# KiCad board AmigaPCI Mainboard.kicad_pcb (continued)
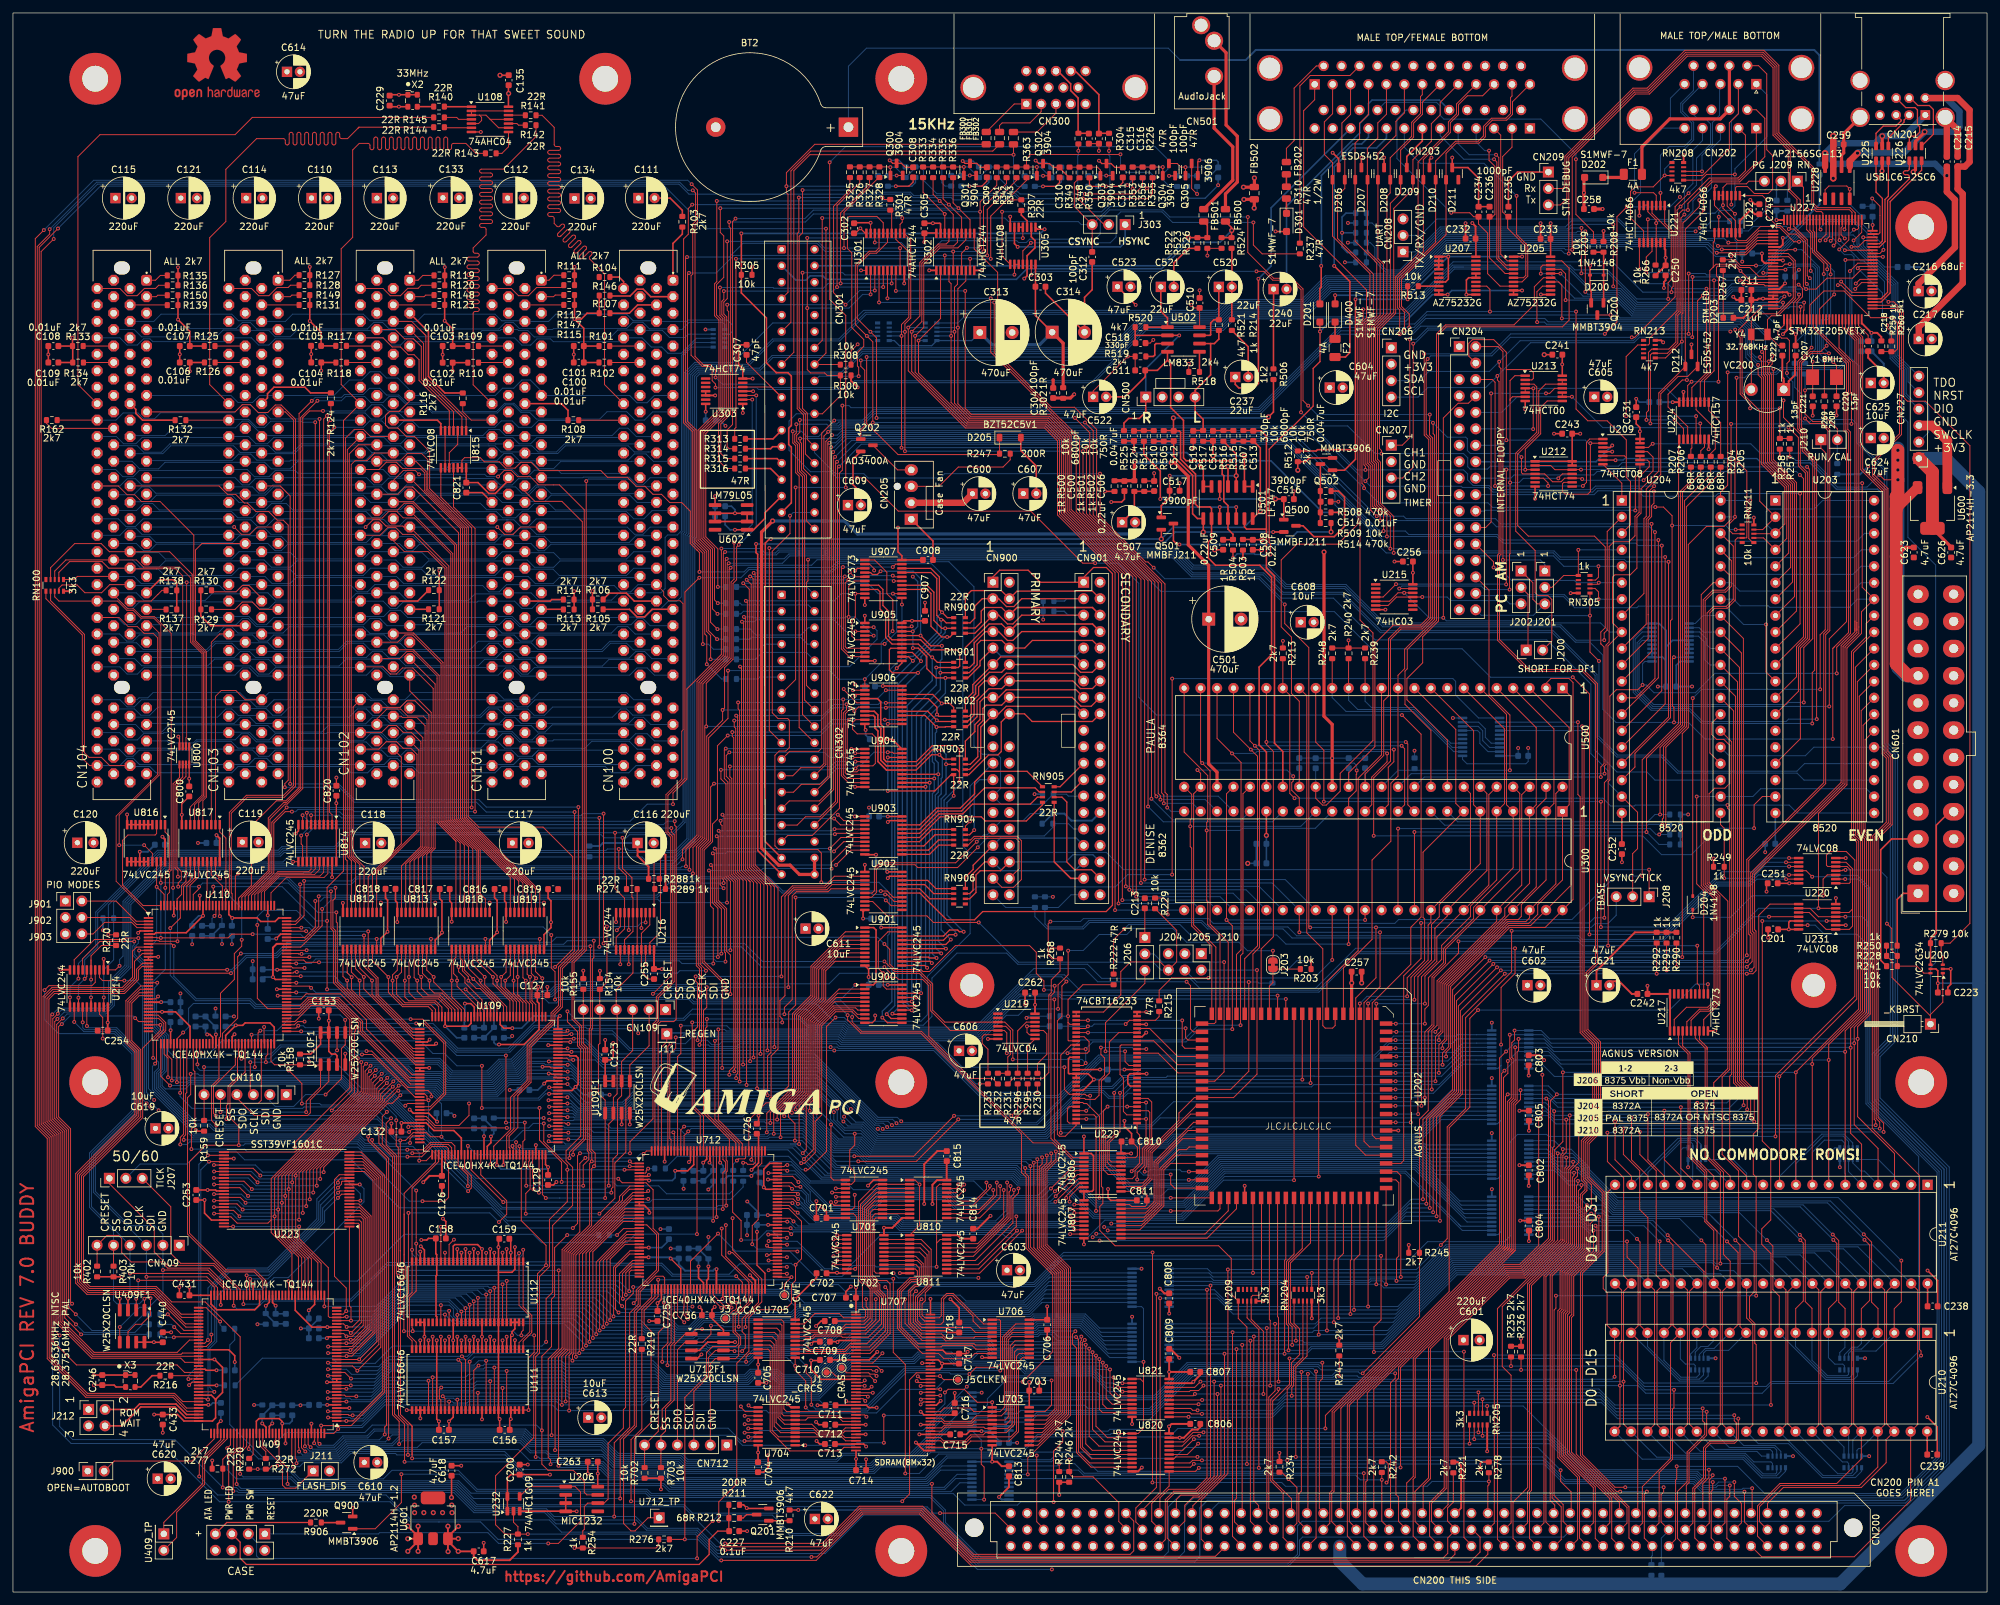
[diagram p0: board, top side]
## Footprints (pads in the part's own frame, mm; a bottom-side part is the same pattern mirrored in y, then rotated) (continued)
PinHeader_1x01_P2.54mm_Horizontal
  rect 1.7x1.7 hole 1: 1(0,0)
PinHeader_1x01_P2.54mm_Vertical
  rect 1.7x1.7 hole 1: 1(0,0)
PinHeader_1x02_P2.54mm_Vertical
  rect 1.7x1.7 hole 1: 1(0,0)
  oval 1.7x1.7 hole 1: 2(0,-2.54)
PinHeader_1x03_P2.54mm_Vertical
  rect 1.7x1.7 hole 1: 1(0,0)
  oval 1.7x1.7 hole 1: 2(0,-2.54) 3(0,-5.08)
PinHeader_1x04_P2.54mm_Vertical
  rect 1.7x1.7 hole 1: 1(0,0)
  oval 1.7x1.7 hole 1: 2(0,-2.54) 3(0,-5.08) 4(0,-7.62)
PinHeader_1x06_P2.54mm_Vertical
  rect 1.7x1.7 hole 1: 1(0,0)
  oval 1.7x1.7 hole 1: 2(0,-2.54) 3(0,-5.08) 4(0,-7.62) 5(0,-10.16) 6(0,-12.7)
PinHeader_2x01_P2.54mm_Vertical
  rect 1.7x1.7 hole 1: 1(0,0)
  oval 1.7x1.7 hole 1: 2(2.54,0)
PinHeader_2x02_P2.54mm_Vertical
  rect 1.7x1.7 hole 1: 1(0,0)
  oval 1.7x1.7 hole 1: 2(2.54,0) 3(0,-2.54) 4(2.54,-2.54)
PinHeader_2x03_P2.54mm_Vertical
  rect 1.7x1.7 hole 1: 1(0,0)
  oval 1.7x1.7 hole 1: 2(2.54,0) 3(0,-2.54) 4(2.54,-2.54) 5(0,-5.08) 6(2.54,-5.08)
PinHeader_2x04_P2.54mm_Vertical
  rect 1.7x1.7 hole 1: 1(0,0)
  oval 1.7x1.7 hole 1: 2(2.54,0) 3(0,-2.54) 4(2.54,-2.54) 5(0,-5.08) 6(2.54,-5.08) 7(0,-7.62) 8(2.54,-7.62)
PLCC-84_SMD-Socket
  rect 0.7x1.925 smd: 1(0,14.213) 2(-1.27,14.213) 3(-2.54,14.213) 4(-3.81,14.213) 5(-5.08,14.213) 6(-6.35,14.213) 7(-7.62,14.213) 8(-8.89,14.213) 9(-10.16,14.213) 10(-11.43,14.213) 11(-12.7,14.213) 33(-12.7,-14.213) 34(-11.43,-14.213) 35(-10.16,-14.213) 36(-8.89,-14.213) 37(-7.62,-14.213) 38(-6.35,-14.213) 39(-5.08,-14.213) 40(-3.81,-14.213) 41(-2.54,-14.213) 42(-1.27,-14.213) 43(0,-14.213) 44(1.27,-14.213) 45(2.54,-14.213) 46(3.81,-14.213) 47(5.08,-14.213) 48(6.35,-14.213) 49(7.62,-14.213) 50(8.89,-14.213) 51(10.16,-14.213) 52(11.43,-14.213) 53(12.7,-14.213) 75(12.7,14.213) 76(11.43,14.213) 77(10.16,14.213) 78(8.89,14.213) 79(7.62,14.213) 80(6.35,14.213) 81(5.08,14.213) 82(3.81,14.213) 83(2.54,14.213) 84(1.27,14.213)
  rect 1.925x0.7 smd: 12(-14.213,12.7) 13(-14.213,11.43) 14(-14.213,10.16) 15(-14.213,8.89) 16(-14.213,7.62) 17(-14.213,6.35) 18(-14.213,5.08) 19(-14.213,3.81) 20(-14.213,2.54) 21(-14.213,1.27) 22(-14.213,0) 23(-14.213,-1.27) 24(-14.213,-2.54) 25(-14.213,-3.81) 26(-14.213,-5.08) 27(-14.213,-6.35) 28(-14.213,-7.62) 29(-14.213,-8.89) 30(-14.213,-10.16) 31(-14.213,-11.43) 32(-14.213,-12.7) 54(14.213,-12.7) 55(14.213,-11.43) 56(14.213,-10.16) 57(14.213,-8.89) 58(14.213,-7.62) 59(14.213,-6.35) 60(14.213,-5.08) 61(14.213,-3.81) 62(14.213,-2.54) 63(14.213,-1.27) 64(14.213,0) 65(14.213,1.27) 66(14.213,2.54) 67(14.213,3.81) 68(14.213,5.08) 69(14.213,6.35) 70(14.213,7.62) 71(14.213,8.89) 72(14.213,10.16) 73(14.213,11.43) 74(14.213,12.7)
R_0603_1608Metric
  rrect 0.8x0.95 smd: 1(-0.825,0) 2(0.825,0)
R_0805_2012Metric
  rrect 1.025x1.4 smd: 1(-0.912,0) 2(0.912,0)
R_Array_Convex_4x0603
  rect 0.8x0.5 smd: 1(-0.9,1.2) 4(-0.9,-1.2) 5(0.9,-1.2) 8(0.9,1.2)
  rect 0.8x0.4 smd: 2(-0.9,0.4) 3(-0.9,-0.4) 6(0.9,-0.4) 7(0.9,0.4)
R_Array_Convex_5x0603
  rect 0.8x0.48 smd: 1(-0.9,1.36) 5(-0.9,-1.36) 6(0.9,-1.36) 10(0.9,1.36)
  rect 0.8x0.32 smd: 2(-0.9,0.64) 3(-0.9,0) 4(-0.9,-0.64) 7(0.9,-0.64) 8(0.9,0) 9(0.9,0.64)
SOIC-8_3.9x4.9mm_P1.27mm
  rrect 1.95x0.6 smd: 1(-2.475,1.905) 2(-2.475,0.635) 3(-2.475,-0.635) 4(-2.475,-1.905) 5(2.475,-1.905) 6(2.475,-0.635) 7(2.475,0.635) 8(2.475,1.905)
SOIC-14_3.9x8.7mm_P1.27mm
  rrect 1.95x0.6 smd: 1(-2.475,3.81) 2(-2.475,2.54) 3(-2.475,1.27) 4(-2.475,0) 5(-2.475,-1.27) 6(-2.475,-2.54) 7(-2.475,-3.81) 8(2.475,-3.81) 9(2.475,-2.54) 10(2.475,-1.27) 11(2.475,0) 12(2.475,1.27) 13(2.475,2.54) 14(2.475,3.81)
SolderJumper-2_P1.3mm_Bridged_RoundedPad1.0x1.5mm
  custom 1x0.5 smd: 1(-0.65,0) 2(0.65,0)
SOT-23
  rrect 1.475x0.6 smd: 1(-0.938,0.95) 2(-0.938,-0.95) 3(0.938,0)
SOT-23-5
  rrect 1.325x0.6 smd: 1(-1.137,0.95) 2(-1.137,0) 3(-1.137,-0.95) 4(1.137,-0.95) 5(1.137,0.95)
SOT-23-6
  rrect 1.325x0.6 smd: 1(-1.137,0.95) 2(-1.137,0) 3(-1.137,-0.95) 4(1.137,-0.95) 5(1.137,0) 6(1.137,0.95)
SOT-223-3_TabPin2
  rrect 2x1.5 smd: 1(-3.15,2.3) 2(-3.15,0) 3(-3.15,-2.3)
  rrect 2x3.8 smd: 2(3.15,0)
SOT-363_SC-70-6
  rrect 0.65x0.4 smd: 1(-0.95,0.65) 2(-0.95,0) 3(-0.95,-0.65) 4(0.95,-0.65) 5(0.95,0) 6(0.95,0.65)
SSOP-56_7.5x18.5mm_P0.635mm
  rect 1.2x0.4 smd: 1(-4.7,8.572) 2(-4.7,7.938) 3(-4.7,7.303) 4(-4.7,6.668) 5(-4.7,6.032) 6(-4.7,5.397) 7(-4.7,4.763) 8(-4.7,4.128) 9(-4.7,3.493) 10(-4.7,2.857) 11(-4.7,2.223) 12(-4.7,1.587) 13(-4.7,0.953) 14(-4.7,0.318) 15(-4.7,-0.318) 16(-4.7,-0.953) 17(-4.7,-1.587) 18(-4.7,-2.223) 19(-4.7,-2.857) 20(-4.7,-3.493) 21(-4.7,-4.128) 22(-4.7,-4.763) 23(-4.7,-5.397) 24(-4.7,-6.032) 25(-4.7,-6.668) 26(-4.7,-7.303) 27(-4.7,-7.938) 28(-4.7,-8.572) 29(4.7,-8.572) 30(4.7,-7.938) 31(4.7,-7.303) 32(4.7,-6.668) 33(4.7,-6.032) 34(4.7,-5.397) 35(4.7,-4.763) 36(4.7,-4.128) 37(4.7,-3.493) 38(4.7,-2.857) 39(4.7,-2.223) 40(4.7,-1.587) 41(4.7,-0.953) 42(4.7,-0.318) 43(4.7,0.318) 44(4.7,0.953) 45(4.7,1.587) 46(4.7,2.223) 47(4.7,2.857) 48(4.7,3.493) 49(4.7,4.128) 50(4.7,4.763) 51(4.7,5.397) 52(4.7,6.032) 53(4.7,6.668) 54(4.7,7.303) 55(4.7,7.938) 56(4.7,8.572)
TestPoint_Pad_D1.0mm
  round 1 smd: 1(0,0)
TrimmerCap
  rect 2x2 hole 1.2: 1(-2.5,0)
  round 2 hole 1.2: 2(2.5,0)
TSOP-I-48_18.4x12mm_P0.5mm
  rrect 1.575x0.3 smd: 1(-9.688,5.75) 2(-9.688,5.25) 3(-9.688,4.75) 4(-9.688,4.25) 5(-9.688,3.75) 6(-9.688,3.25) 7(-9.688,2.75) 8(-9.688,2.25) 9(-9.688,1.75) 10(-9.688,1.25) 11(-9.688,0.75) 12(-9.688,0.25) 13(-9.688,-0.25) 14(-9.688,-0.75) 15(-9.688,-1.25) 16(-9.688,-1.75) 17(-9.688,-2.25) 18(-9.688,-2.75) 19(-9.688,-3.25) 20(-9.688,-3.75) 21(-9.688,-4.25) 22(-9.688,-4.75) 23(-9.688,-5.25) 24(-9.688,-5.75) 25(9.688,-5.75) 26(9.688,-5.25) 27(9.688,-4.75) 28(9.688,-4.25) 29(9.688,-3.75) 30(9.688,-3.25) 31(9.688,-2.75) 32(9.688,-2.25) 33(9.688,-1.75) 34(9.688,-1.25) 35(9.688,-0.75) 36(9.688,-0.25) 37(9.688,0.25) 38(9.688,0.75) 39(9.688,1.25) 40(9.688,1.75) 41(9.688,2.25) 42(9.688,2.75) 43(9.688,3.25) 44(9.688,3.75) 45(9.688,4.25) 46(9.688,4.75) 47(9.688,5.25) 48(9.688,5.75)
TSOP-II-86
  rect 1.51x0.27 smd: 1(-5.75,10.5) 2(-5.75,10) 3(-5.75,9.5) 4(-5.75,9) 5(-5.75,8.5) 6(-5.75,8) 7(-5.75,7.5) 8(-5.75,7) 9(-5.75,6.5) 10(-5.75,6) 11(-5.75,5.5) 12(-5.75,5) 13(-5.75,4.5) 14(-5.75,4) 15(-5.75,3.5) 16(-5.75,3) 17(-5.75,2.5) 18(-5.75,2) 19(-5.75,1.5) 20(-5.75,1) 21(-5.75,0.5) 22(-5.75,0) 23(-5.75,-0.5) 24(-5.75,-1) 25(-5.75,-1.5) 26(-5.75,-2) 27(-5.75,-2.5) 28(-5.75,-3) 29(-5.75,-3.5) 30(-5.75,-4) 31(-5.75,-4.5) 32(-5.75,-5) 33(-5.75,-5.5) 34(-5.75,-6) 35(-5.75,-6.5) 36(-5.75,-7) 37(-5.75,-7.5) 38(-5.75,-8) 39(-5.75,-8.5) 40(-5.75,-9) 41(-5.75,-9.5) 42(-5.75,-10) 43(-5.75,-10.5) 44(5.75,-10.5) 45(5.75,-10) 46(5.75,-9.5) 47(5.75,-9) 48(5.75,-8.5) 49(5.75,-8) 50(5.75,-7.5) 51(5.75,-7) 52(5.75,-6.5) 53(5.75,-6) 54(5.75,-5.5) 55(5.75,-5) 56(5.75,-4.5) 57(5.75,-4) 58(5.75,-3.5) 59(5.75,-3) 60(5.75,-2.5) 61(5.75,-2) 62(5.75,-1.5) 63(5.75,-1) 64(5.75,-0.5) 65(5.75,0) 66(5.75,0.5) 67(5.75,1) 68(5.75,1.5) 69(5.75,2) 70(5.75,2.5) 71(5.75,3) 72(5.75,3.5) 73(5.75,4) 74(5.75,4.5) 75(5.75,5) 76(5.75,5.5) 77(5.75,6) 78(5.75,6.5) 79(5.75,7) 80(5.75,7.5) 81(5.75,8) 82(5.75,8.5) 83(5.75,9) 84(5.75,9.5) 85(5.75,10) 86(5.75,10.5)
TSSOP-14_4.4x5mm_P0.65mm
  rrect 1.475x0.4 smd: 1(-2.862,1.95) 2(-2.862,1.3) 3(-2.862,0.65) 4(-2.862,0) 5(-2.862,-0.65) 6(-2.862,-1.3) 7(-2.862,-1.95) 8(2.862,-1.95) 9(2.862,-1.3) 10(2.862,-0.65) 11(2.862,0) 12(2.862,0.65) 13(2.862,1.3) 14(2.862,1.95)
TSSOP-16_4.4x5mm_P0.65mm
  rrect 1.475x0.4 smd: 1(-2.862,2.275) 2(-2.862,1.625) 3(-2.862,0.975) 4(-2.862,0.325) 5(-2.862,-0.325) 6(-2.862,-0.975) 7(-2.862,-1.625) 8(-2.862,-2.275) 9(2.862,-2.275) 10(2.862,-1.625) 11(2.862,-0.975) 12(2.862,-0.325) 13(2.862,0.325) 14(2.862,0.975) 15(2.862,1.625) 16(2.862,2.275)
TSSOP-20_4.4x6.5mm_P0.65mm
  rrect 1.475x0.4 smd: 1(-2.862,2.925) 2(-2.862,2.275) 3(-2.862,1.625) 4(-2.862,0.975) 5(-2.862,0.325) 6(-2.862,-0.325) 7(-2.862,-0.975) 8(-2.862,-1.625) 9(-2.862,-2.275) 10(-2.862,-2.925) 11(2.862,-2.925) 12(2.862,-2.275) 13(2.862,-1.625) 14(2.862,-0.975) 15(2.862,-0.325) 16(2.862,0.325) 17(2.862,0.975) 18(2.862,1.625) 19(2.862,2.275) 20(2.862,2.925)
USB_A_Wuerth_61400826021_Horizontal_Stacked
  rect 1.5x1.5 hole 0.92: 1(0,0)
  round 1.5 hole 0.92: 2(2.5,0) 3(4.5,0) 4(7,0) 5(0,-2.62) 6(2.5,-2.62) 7(4.5,-2.62) 8(7,-2.62)
  round 3 hole 2.3: 9(-3.07,0.35) 9(-3.07,-5.33) 9(10.07,0.35) 9(10.07,-5.33)
VSSOP-8_2.3x2mm_P0.5mm
  rrect 1.25x0.35 smd: 1(-1.4,0.75) 2(-1.4,0.25) 3(-1.4,-0.25) 4(-1.4,-0.75) 5(1.4,-0.75) 6(1.4,-0.25) 7(1.4,0.25) 8(1.4,0.75)

## Nets
+1V2: C124.1 C125.1 C126.1 C127.1 C140.1 C141.1 C142.1 C143.1 C420.1 C421.1 C429.1 C430.1 C610.1 C618.2 C619.1 C724.1 C725.1 C726.1 C727.1 CN200.a13 CN200.c1 R156.2 R157.2 R160.2 R161.2 R400.2 R401.1 R700.2 R701.1 U109.27 U109.40 U109.92 U109.111 U110.27 U110.40 U110.92 U110.111 U227.26 U409.27 U409.40 U409.92 U409.111 U601.2 U712.27 U712.40 U712.92 U712.111
+3V3: C100.1 C101.1 C102.1 C103.1 C104.1 C105.1 C106.1 C107.1 C108.1 C109.1 C116.1 C117.1 C118.1 C119.1 C120.1 C123.2 C128.1 C129.1 C130.1 C131.1 C132.1 C135.1 C144.1 C145.1 C146.1 C147.1 C148.1 C153.2 C156.1 C157.1 C158.1 C159.1 C201.1 C225.2 C229.1 C246.1 C251.1 C253.1 C254.2 C255.2 C431.1 C432.1 C433.1 C434.1 C435.1 C440.2 C609.1 C611.1 C613.1 C617.2 C620.1 C621.1 C622.1 C701.1 C702.1 C703.1 C704.1 C705.1 C706.1 C707.1 C708.1 C709.1 C710.1 C711.1 C712.1 C713.1 C714.1 C715.1 C716.1 C717.1 C718.1 C719.1 C720.1 C721.1 C722.1 C723.1 C736.2 C800.2 C802.1 C803.1 C804.1 C805.1 C806.1 C807.1 C808.1 C809.1 C810.1 C811.1 C812.1 C813.1 C814.1 C815.1 C816.1 C817.1 C818.1 C819.1 C820.2 C821.2 C822.2 C823.2 C900.1 C901.1 C902.1 C904.1 C905.1 C906.1 C907.1 C908.1 CN100.A21 CN100.A27 CN100.A33 CN100.A39 CN100.A45 CN100.A53 CN100.B25 CN100.B31 CN100.B36 CN100.B41 CN100.B43 CN100.B54 CN101.A21 CN101.A27 CN101.A33 CN101.A39 CN101.A45 CN101.A53 CN101.B25 CN101.B31 CN101.B36 CN101.B41 CN101.B43 CN101.B54 CN102.A21 CN102.A27 CN102.A33 CN102.A39 CN102.A45 CN102.A53 CN102.B25 CN102.B31 CN102.B36 CN102.B41 CN102.B43 CN102.B54 CN103.A21 CN103.A27 CN103.A33 CN103.A39 CN103.A45 CN103.A53 CN103.B25 CN103.B31 CN103.B36 CN103.B41 CN103.B43 CN103.B54 CN104.A21 CN104.A27 CN104.A33 CN104.A39 CN104.A45 CN104.A53 CN104.B25 CN104.B31 CN104.B36 CN104.B41 CN104.B43 CN104.B54 CN200.a28 CN200.a41 CN200.a48 CN200.a49 CN200.b12 CN200.b13 CN200.c3 CN200.c7 CN200.c20 CN601.1 CN601.2 CN601.12 CN601.13 Q900.2 R101.2 R102.2 R105.1 R106.1 R107.1 R109.2 R110.2 R113.1 R114.1 R115.1 R117.2 R118.2 R121.1 R122.1 R123.1 R125.2 R126.2 R129.1 R130.1 R131.1 R133.2 R134.2 R137.1 R138.1 R139.1 R146.1 R147.1 R148.1 R149.1 R150.1 R154.1 R155.1 R158.1 R159.1 R213.1 R221.1 R227.2 R239.1 R240.1 R248.1 R250.2 R254.2 R255.1 R276.1 R277.1 R278.1 R286.1 R287.1 R288.1 R289.1 R290.1 R291.1 R292.1 R308.2 R402.1 R403.1 R702.1 R703.1 U108.14 U109.6 U109.30 U109.46 U109.57 U109.72 U109.89 U109.100 U109.108 U109.123 U109.131 U109F1.3 U109F1.7 U109F1.8 U110.6 U110.30 U110.46 U110.57 U110.72 U110.89 U110.100 U110.108 U110.123 U110.131 U110F1.3 U110F1.7 U110F1.8 U111.3 U111.7 U111.22 U111.26 U111.35 U111.50 U112.3 U112.7 U112.22 U112.26 U112.35 U112.50 U208.20 U214.20 U216.20 U220.14 U223.37 U231.2 U231.12 U231.14 U409.6 U409.30 U409.46 U409.57 U409.72 U409.89 U409.100 U409.108 U409.123 U409.131 U409F1.3 U409F1.7 U409F1.8 U601.3 U701.20 U702.20 U703.20 U704.20 U705.20 U706.20 U707.1 U707.3 U707.9 U707.15 U707.29 U707.35 U707.41 U707.43 U707.49 U707.55 U707.75 U707.81 U712.6 U712.30 U712.46 U712.57 U712.72 U712.89 U712.100 U712.108 U712.123 U712.131 U712F1.3 U712F1.7 U712F1.8 U800.1 U800.8 U802.20 U803.20 U804.20 U805.20 U806.20 U807.20 U808.20 U809.20 U810.20 U811.20 U812.20 U813.20 U814.1 U814.20 U815.14 U816.20 U817.20 U818.20 U819.20 U820.20 U821.20 U822.20 U823.20 U900.20 U901.20 U902.1 U902.20 U903.1 U903.20 U904.1 U904.20 U905.1 U905.20 U906.20 U907.20 X2.1 X2.4 X3.1 X3.4
+3V3SB: C206.1 C207.1 C208.1 C209.1 C210.1 C211.1 C212.1 C223.1 C226.1 C228.1 C624.1 C625.1 C626.2 CN200.c21 CN206.2 CN227.1 D203.2 R202.1 R224.1 R259.1 R280.2 R281.1 U200.5 U227.11 U227.19 U227.21 U227.22 U227.28 U227.50 U227.75 U227.100 U600.2
+5V: C111.1 C112.1 C113.1 C114.1 C115.1 C200.1 C224.1 C230.1 C231.1 C232.1 C233.1 C238.1 C239.1 C241.2 C242.1 C243.2 C249.1 C250.1 C252.2 C256.2 C257.1 C258.1 C261.2 C262.1 C263.1 C267.1 C300.1 C301.1 C304.1 C306.1 C601.1 C602.1 C603.1 C604.1 C605.1 C606.1 C607.1 C608.1 CN100.A5 CN100.A8 CN100.A10 CN100.A16 CN100.A59 CN100.A61 CN100.A62 CN100.B5 CN100.B6 CN100.B19 CN100.B59 CN100.B61 CN100.B62 CN101.A5 CN101.A8 CN101.A10 CN101.A16 CN101.A59 CN101.A61 CN101.A62 CN101.B5 CN101.B6 CN101.B19 CN101.B59 CN101.B61 CN101.B62 CN102.A5 CN102.A8 CN102.A10 CN102.A16 CN102.A59 CN102.A61 CN102.A62 CN102.B5 CN102.B6 CN102.B19 CN102.B59 CN102.B61 CN102.B62 CN103.A5 CN103.A8 CN103.A10 CN103.A16 CN103.A59 CN103.A61 CN103.A62 CN103.B5 CN103.B6 CN103.B19 CN103.B59 CN103.B61 CN103.B62 CN104.A5 CN104.A8 CN104.A10 CN104.A16 CN104.A59 CN104.A61 CN104.A62 CN104.B5 CN104.B6 CN104.B19 CN104.B59 CN104.B61 CN104.B62 CN200.a1 CN200.a14 CN200.a29 CN200.a32 CN200.a33 CN200.a40 CN200.a50 CN200.c6 CN200.c12 CN301.6 CN301.8 CN601.4 CN601.6 CN601.21 CN601.22 CN601.23 D202.2 D301.2 Q201.2 R108.2 R116.2 R124.2 R132.2 R162.2 R203.1 R212.1 R223.1 R225.1 R229.1 R234.1 R235.1 R236.1 R242.1 R243.1 R244.1 R245.1 R246.1 R249.1 R263.1 R266.1 R300.2 R302.2 R305.2 R500.1 R900.1 R903.2 R904.2 R911.2 R912.2 RN100.5 RN101.10 RN200.5 RN201.5 RN202.5 RN203.5 RN204.5 RN205.10 RN206.5 RN207.5 RN208.10 RN209.5 RN211.10 RN213.10 RN305.10 U201.20 U202.15 U203.20 U204.20 U205.20 U206.8 U207.20 U209.4 U209.13 U209.14 U210.40 U211.40 U212.1 U212.13 U212.14 U213.14 U215.14 U217.1 U217.20 U219.14 U221.14 U222.14 U224.16 U229.14 U229.25 U229.43 U232.1 U232.5 U300.19 U303.1 U303.4 U303.14 U305.2 U305.12
+5VSB: C259.1 C623.2 CN601.9 R257.1 U228.7 U600.3
+12V: C110.1 C133.1 C134.1 C600.1 CN100.A2 CN101.A2 CN102.A2 CN103.A2 CN104.A2 CN205.2 CN301.10 CN601.10 CN601.11 D400.2 R261.1 R503.1 U205.1 U207.1 U207.2 U207.3 U207.4 U207.7
-5V: C615.2 CN301.31 U602.1
-12V: C121.2 C614.2 C616.2 CN100.B1 CN101.B1 CN102.B1 CN103.B1 CN104.B1 CN601.14 D201.1 R260.2 R504.2 U205.9 U205.10 U207.9 U207.10 U602.2 U602.3 U602.6 U602.7
/Agnus Multiadapter/GND_PAL_NTSC: AGNUS1.4 R223.2 U202.41
/Clocks, ROM, USB/VBUS1: C214.1 C216.1 CN201.1 U225.5 U228.8
/Clocks, ROM, USB/VBUS2: C215.1 C217.1 CN201.5 U226.5 U228.5
/HID and User Ports/+5VMOUSE: CN202.7 CN202.16 F1.2
/HID and User Ports/VBAT_STM: R201.2 U227.6
GND: AGNUS1.1 AGNUS1.3 AGNUS1.5 BT2.2 C100.2 C101.2 C102.2 C103.2 C104.2 C105.2 C106.2 C107.2 C108.2 C109.2 C110.2 C111.2 C112.2 C113.2 C114.2 C115.2 C116.2 C117.2 C118.2 C119.2 C120.2 C121.1 C123.1 C124.2 C125.2 C126.2 C127.2 C128.2 C129.2 C130.2 C131.2 C132.2 C133.2 C134.2 C135.2 C140.2 C141.2 C142.2 C143.2 C144.2 C145.2 C146.2 C147.2 C148.2 C153.1 C156.2 C157.2 C158.2 C159.2 C200.2 C201.2 C206.2 C207.2 C208.2 C209.2 C210.2 C211.2 C212.2 C213.2 C214.2 C215.2 C216.2 C217.2 C218.2 C219.2 C220.2 C221.2 C222.2 C223.2 C224.2 C225.1 C226.2 C227.2 C228.2 C229.2 C230.2 C231.2 C232.2 C233.2 C234.2 C235.2 C236.2 C238.2 C239.2 C241.1 C242.2 C243.1 C246.2 C249.2 C250.2 C251.2 C252.1 C253.2 C254.1 C255.1 C256.1 C257.2 C258.2 C259.2 C261.1 C262.2 C263.2 C267.2 C300.2 C301.2 C302.2 C303.2 C304.2 C305.2 C306.2 C307.2 C308.1 C309.1 C310.1 C311.1 C312.2 C313.2 C314.2 C315.2 C316.2 C317.1 C420.2 C421.2 C429.2 C430.2 C431.2 C432.2 C433.2 C434.2 C435.2 C440.1 C500.2 C501.2 C600.2 C601.2 C602.2 C603.2 C604.2 C605.2 C606.2 C607.2 C608.2 C609.2 C610.2 C611.2 C613.2 C614.1 C615.1 C616.1 C617.1 C618.1 C619.2 C620.2 C621.2 C622.2 C623.1 C624.2 C625.2 C626.1 C701.2 C702.2 C703.2 C704.2 C705.2 C706.2 C707.2 C708.2 C709.2 C710.2 C711.2 C712.2 C713.2 C714.2 C715.2 C716.2 C717.2 C718.2 C719.2 C720.2 C721.2 C722.2 C723.2 C724.2 C725.2 C726.2 C727.2 C736.1 C800.1 C802.2 C803.2 C804.2 C805.2 C806.2 C807.2 C808.2 C809.2 C810.2 C811.2 C812.2 C813.2 C814.2 C815.2 C816.2 C817.2 C818.2 C819.2 C820.1 C821.1 C822.1 C823.1 C900.2 C901.2 C902.2 C904.2 C905.2 C906.2 C907.2 C908.2 CN100.A12 CN100.A13 CN100.A18 CN100.A24 CN100.A30 CN100.A35 CN100.A37 CN100.A42 CN100.A48 CN100.A56 CN100.B3 CN100.B12 CN100.B13 CN100.B15 CN100.B17 CN100.B22 CN100.B28 CN100.B34 CN100.B38 CN100.B46 CN100.B49 CN100.B57 CN101.A12 CN101.A13 CN101.A18 CN101.A24 CN101.A30 CN101.A35 CN101.A37 CN101.A42 CN101.A48 CN101.A56 CN101.B3 CN101.B12 CN101.B13 CN101.B15 CN101.B17 CN101.B22 CN101.B28 CN101.B34 CN101.B38 CN101.B46 CN101.B49 CN101.B57 CN102.A12 CN102.A13 CN102.A18 CN102.A24 CN102.A30 CN102.A35 CN102.A37 CN102.A42 CN102.A48 CN102.A56 CN102.B3 CN102.B12 CN102.B13 CN102.B15 CN102.B17 CN102.B22 CN102.B28 CN102.B34 CN102.B38 CN102.B46 CN102.B49 CN102.B57 CN103.A12 CN103.A13 CN103.A18 CN103.A24 CN103.A30 CN103.A35 CN103.A37 CN103.A42 CN103.A48 CN103.A56 CN103.B3 CN103.B12 CN103.B13 CN103.B15 CN103.B17 CN103.B22 CN103.B28 CN103.B34 CN103.B38 CN103.B46 CN103.B49 CN103.B57 CN104.A12 CN104.A13 CN104.A18 CN104.A24 CN104.A30 CN104.A35 CN104.A37 CN104.A42 CN104.A48 CN104.A56 CN104.B3 CN104.B12 CN104.B13 CN104.B15 CN104.B17 CN104.B22 CN104.B28 CN104.B34 CN104.B38 CN104.B46 CN104.B49 CN104.B57 CN109.1 CN110.1 CN200.a2 CN200.a31 CN200.a36 CN200.a37 CN200.a44 CN200.a45 CN200.b6 CN200.b14 CN200.c4 CN200.c8 CN200.c9 CN200.c16 CN200.c17 CN200.c24 CN200.c25 CN200.c49 CN200.c50 CN201.4 CN201.8 CN201.9 CN202.8 CN202.17 CN202.19 CN203.17 CN203.18 CN203.19 CN203.20 CN203.21 CN203.22 CN203.23 CN203.24 CN203.25 CN203.26 CN203.32 CN203.51 CN204.1 CN204.5 CN204.7 CN204.9 CN204.11 CN204.13 CN204.15 CN204.17 CN204.19 CN204.21 CN204.23 CN204.25 CN204.27 CN204.29 CN204.31 CN204.33 CN205.1 CN206.1 CN207.2 CN207.4 CN208.3 CN209.1 CN227.3 CN300.5 CN300.6 CN300.7 CN300.8 CN300.10 CN300.16 CN301.9 CN301.12 CN301.13 CN301.17 CN301.20 CN301.21 CN301.24 CN301.32 CN302.1 CN302.5 CN302.9 CN302.12 CN302.22 CN302.32 CN409.1 CN501.S CN601.3 CN601.5 CN601.7 CN601.15 CN601.17 CN601.18 CN601.19 CN601.24 CN712.1 CN900.2 CN900.19 CN900.22 CN900.24 CN900.26 CN900.28 CN900.30 CN900.40 CN901.2 CN901.19 CN901.22 CN901.24 CN901.26 CN901.28 CN901.30 CN901.40 CN_CASE1.2 CN_CASE1.4 CN_CASE1.6 CN_CASE1.8 D200.2 D205.2 D206.3 D207.3 D208.3 D209.3 D210.3 D211.3 D212.3 FB502.2 H1.1 H2.1 H3.1 H4.1 H5.1 H6.1 H7.1 H8.1 H9.1 H10.1 H11.1 H12.1 J209.2 J211.2 J212.1 J212.3 J900.1 JATA1.1 JATA1.3 JATA1.5 Q200.2 Q202.2 R103.2 R104.1 R111.2 R112.1 R119.2 R120.1 R127.2 R128.1 R135.2 R136.1 R208.2 R241.1 R256.2 R258.2 R262.2 R264.2 R265.2 R268.2 R303.1 R309.1 R311.1 R312.1 R330.2 R331.2 R338.2 R339.2 R345.2 R346.2 R350.2 R351.2 R358.2 R361.2 R901.2 R902.2 U108.7 U109.5 U109.13 U109.14 U109.59 U109.69 U109.86 U109.103 U109.132 U109.140 U109F1.4 U110.5 U110.13 U110.14 U110.59 U110.69 U110.86 U110.103 U110.132 U110.140 U110F1.4 U111.4 U111.11 U111.18 U111.25 U111.30 U111.31 U111.32 U111.39 U111.46 U111.53 U111.54 U111.55 U112.4 U112.11 U112.18 U112.25 U112.30 U112.31 U112.32 U112.39 U112.46 U112.53 U112.54 U112.55 U200.2 U201.2 U201.3 U201.4 U201.5 U201.10 U201.15 U201.16 U201.17 U201.18 U202.58 U202.82 U203.1 U204.1 U205.11 U206.2 U206.3 U206.4 U207.11 U207.15 U207.16 U208.1 U208.10 U209.7 U210.2 U210.11 U210.30 U211.2 U211.11 U211.30 U212.7 U213.7 U214.2 U214.10 U214.17 U215.7 U216.2 U216.10 U216.17 U217.10 U219.7 U220.7 U221.7 U222.7 U222.12 U223.27 U223.46 U224.8 U224.15 U225.2 U226.2 U227.10 U227.20 U227.27 U227.74 U228.6 U229.10 U229.13 U229.22 U229.27 U229.28 U229.40 U229.44 U229.45 U229.48 U231.7 U232.3 U300.37 U301.1 U301.10 U301.19 U302.1 U302.10 U302.19 U303.7 U303.11 U303.12 U305.7 U409.5 U409.13 U409.14 U409.59 U409.69 U409.86 U409.103 U409.132 U409.140 U409F1.4 U500.8 U600.1 U601.1 U602.5 U701.10 U702.10 U703.10 U704.10 U705.10 U706.10 U707.6 U707.12 U707.21 U707.32 U707.38 U707.44 U707.46 U707.52 U707.58 U707.69 U707.72 U707.78 U707.84 U707.86 U712.5 U712.13 U712.14 U712.59 U712.69 U712.86 U712.103 U712.132 U712.140 U712F1.4 U800.4 U802.10 U803.10 U804.10 U804.19 U805.10 U805.19 U806.1 U806.10 U806.19 U807.1 U807.10 U807.19 U808.10 U808.19 U809.10 U809.19 U810.10 U811.10 U812.10 U813.10 U814.10 U814.19 U815.7 U816.4 U816.5 U816.6 U816.7 U816.8 U816.9 U816.10 U816.11 U816.12 U816.13 U816.14 U816.15 U816.16 U817.10 U818.10 U819.10 U820.10 U820.19 U821.10 U821.19 U822.10 U823.10 U900.10 U901.10 U902.10 U902.19 U903.10 U903.19 U904.10 U905.10 U906.10 U907.10 VC200.1 X2.2 X3.2
+AUD: C500.1 C501.1 R500.2 R501.1 U500.27
+AV: C508.1 C510.1 C523.1 Q502.2 R503.2 R512.1 U501.4 U502.8
+VID: C302.1 C303.1 C305.1 C308.2 C309.2 C310.2 C311.2 C313.1 C314.1 C317.2 Q300.3 Q301.3 Q302.3 Q303.3 Q305.2 R302.1 R329.1 R337.1 R344.1 R349.1 R357.1 R359.1 RN301.5 RN302.10 U301.20 U302.20 U305.14
-AV: C509.2 C511.2 C522.2 R504.1 R509.2 U501.11 U502.4
/Agnus Multiadapter/7MHz: R222.2 R238.2 U229.32 U229.36
/Agnus Multiadapter/7MHz_CDAC: U202.37 U229.24
/Agnus Multiadapter/_ARAMEN: J203.2 R203.2 U202.25
/Agnus Multiadapter/_CDAC: R215.2 R294.2 U229.26 U229.33
/Agnus Multiadapter/A20_XCLK: U202.35 U229.34
/Agnus Multiadapter/ACLK: J206.3 U229.15
/Agnus Multiadapter/CASL_UDS: U202.53 U229.1
/Agnus Multiadapter/CASU_CASL: U202.54 U229.51
/Agnus Multiadapter/CCK_CCKQ: U202.39 U229.18
/Agnus Multiadapter/CCKQ_7MHz: U202.38 U229.21
/Agnus Multiadapter/CDAC_XCLKEN: U202.36 U229.31
/Agnus Multiadapter/CLK14: U229.41
/Agnus Multiadapter/DRA8: U229.19 U229.50
/Agnus Multiadapter/DRA9: U229.3 U229.20
/Agnus Multiadapter/DRA9_CASU: U202.55 U229.54
/Agnus Multiadapter/LDS_DRA8: U202.51 U229.7
/Agnus Multiadapter/UDS_LDS: U202.52 U229.4
/Agnus Multiadapter/VBB_CCK: J206.2 U202.40
/ATA Interface/_ACTA: CN900.39 R903.1 U220.13
/ATA Interface/_ACTB: CN901.39 R904.1 U220.12
/ATA Interface/_ACTIVITY: Q900.1 U220.11
/ATA Interface/_CS0P: CN900.37 RN904.6
/ATA Interface/_CS0S: CN901.37 RN905.5
/ATA Interface/_CS1P: CN900.38 RN904.5
/ATA Interface/_CS1S: CN901.38 RN905.6
/ATA Interface/_DIORP: CN900.25 RN904.7
/ATA Interface/_DIORS: CN901.25 RN905.7
/ATA Interface/_DIOWP: CN900.23 RN904.8
/ATA Interface/_DIOWS: CN901.23 RN905.8
/ATA Interface/_RSTIDE: CN900.1 CN901.1 U902.15
/ATA Interface/DA0A: RN906.2 U902.17
/ATA Interface/DA0B: CN900.35 CN901.35 RN906.7
/ATA Interface/DA1A: RN906.1 U902.18
/ATA Interface/DA1B: CN900.33 CN901.33 RN906.8
/ATA Interface/DA2A: RN906.3 U902.16
/ATA Interface/DA2B: CN900.36 CN901.36 RN906.6
/ATA Interface/DD0A: CN900.17 CN901.17 RN903.6
/ATA Interface/DD1A: CN900.15 CN901.15 RN903.8
/ATA Interface/DD2A: CN900.13 CN901.13 RN902.6
/ATA Interface/DD3A: CN900.11 CN901.11 RN902.8
/ATA Interface/DD4A: CN900.9 CN901.9 RN901.5
/ATA Interface/DD5A: CN900.7 CN901.7 RN901.7
/ATA Interface/DD6A: CN900.5 CN901.5 R911.1 RN900.5
/ATA Interface/DD7A: CN900.3 CN901.3 R912.1 RN900.7
/ATA Interface/DD8A: CN900.4 CN901.4 RN900.8
/ATA Interface/DD9A: CN900.6 CN901.6 RN900.6
/ATA Interface/DD10A: CN900.8 CN901.8 RN901.8
/ATA Interface/DD11A: CN900.10 CN901.10 RN901.6
/ATA Interface/DD12A: CN900.12 CN901.12 RN902.7
/ATA Interface/DD13A: CN900.14 CN901.14 RN902.5
/ATA Interface/DD14A: CN900.16 CN901.16 RN903.7
/ATA Interface/DD15A: CN900.18 CN901.18 RN903.5
/ATA Interface/IDED0: RN900.1 U900.11 U905.11 U907.18
/ATA Interface/IDED1: RN900.3 U900.13 U905.13 U907.14
/ATA Interface/IDED2: RN901.1 U900.15 U905.15 U907.8
/ATA Interface/IDED3: RN901.3 U900.17 U905.17 U907.4
/ATA Interface/IDED4: RN902.2 U901.12 U904.12 U906.17
/ATA Interface/IDED5: RN902.4 U901.14 U904.14 U906.13
/ATA Interface/IDED6: RN903.2 U901.16 U904.16 U906.7
/ATA Interface/IDED7: RN903.4 U901.18 U904.18 U906.3
/ATA Interface/IDED8: RN903.3 U901.17 U904.17 U906.4
/ATA Interface/IDED9: RN903.1 U901.15 U904.15 U906.8
/ATA Interface/IDED10: RN902.3 U901.13 U904.13 U906.14
/ATA Interface/IDED11: RN902.1 U901.11 U904.11 U906.18
/ATA Interface/IDED12: RN901.4 U900.18 U905.18 U907.3
/ATA Interface/IDED13: RN901.2 U900.16 U905.16 U907.7
/ATA Interface/IDED14: RN900.4 U900.14 U905.14 U907.13
/ATA Interface/IDED15: RN900.2 U900.12 U905.12 U907.17
